# Altium PCB sinking-clock_LED-PCB.PcbDoc (part 2 of 2)
Units mm, origin at the board's own origin, x right, y up, seen from the top; angles counter-clockwise.
Board outline 152.03 x 83 mm, 2 copper layers (Top Layer, Bottom Layer), stack 1.57 mm thick; 151 components, 151 nets, 498 pads, 173 vias.
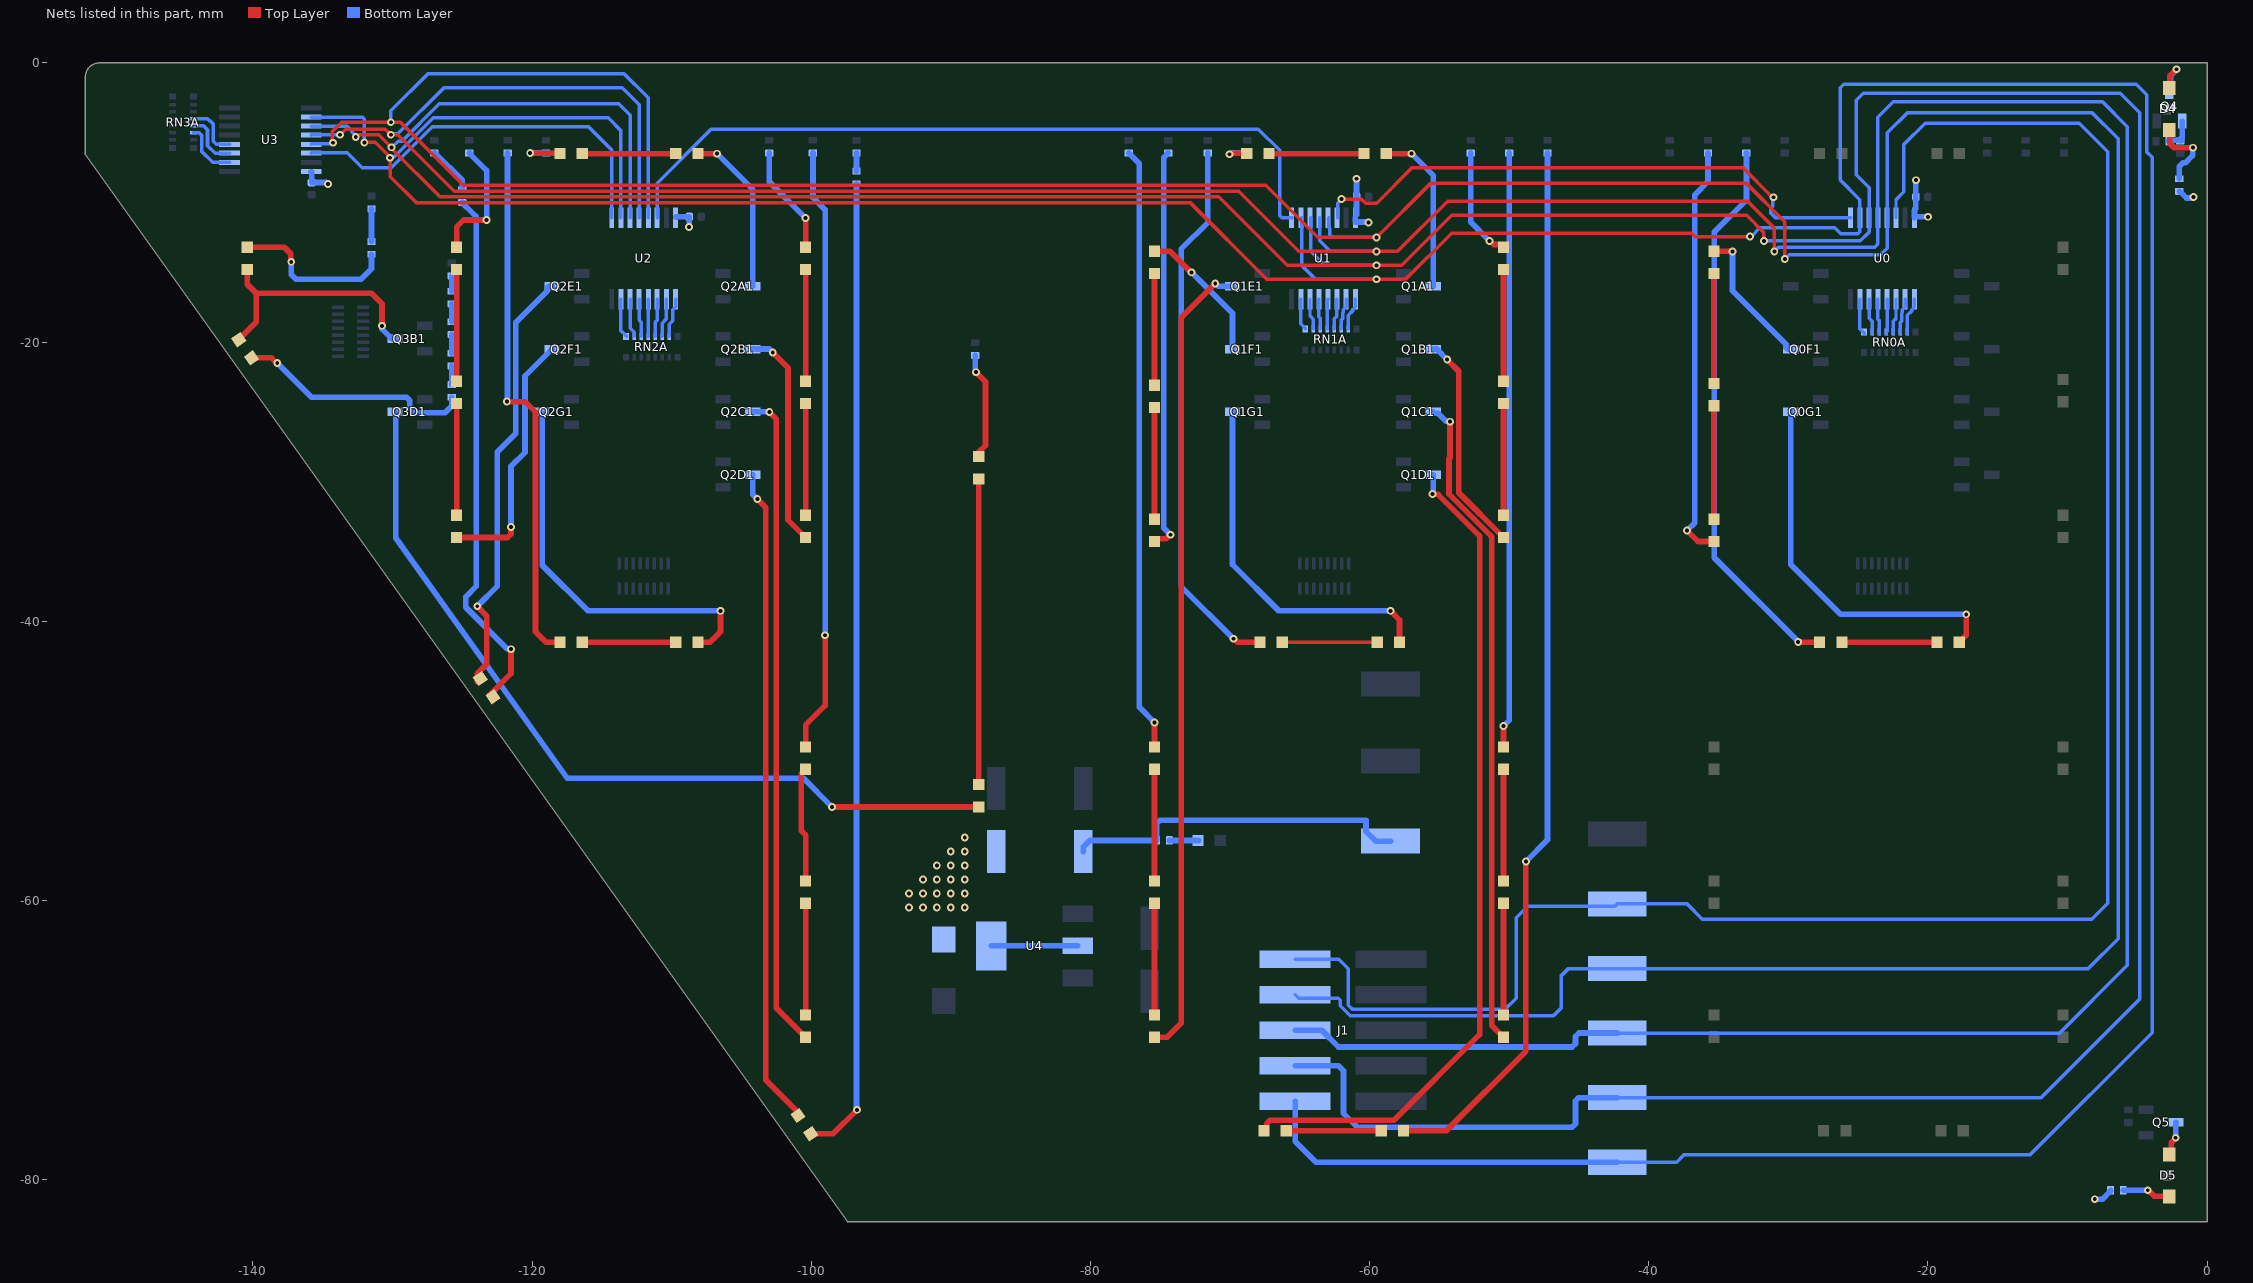
[diagram p2: the nets of this part, all layers, seen from the top]

## Via types
v1: diameter 0.559, hole 0.279, Top Layer to Bottom Layer, tented both sides, 173 vias

## Nets (pads, with @x,y where several pads share a name; then routed paths per layer and width w, separated by ;. In a path a pad name is that pad's centre, name@x,y a point inside that pad or via, vN(x,y) a via of type N, cw(c..) or ccw(c..) an arc to the next point about the centre after c; other vN are vias at no path point) (continued)
NetD0F1_1: D0F1.1 R0F2.1 | length 29.9
  Top Layer w0.406: v1(-37.25,-33.5) -36.464,-34.286 D0F1.1@-35.33,-34.286
  Bottom Layer w0.406: v1(-37.25,-33.5) -36.703,-32.953 -36.703,-9.453 -35.75,-8.5 R0F2.1@-35.75,-6.455
NetD0F1_2: D0F1.2 D0F2.1 | length 8.1
  Top Layer w0.406: D0F1.2@-35.33,-32.686 D0F2.1@-35.33,-24.556
NetD0F2_2: D0F2.2 D0F3.1 | length 7.9
  Top Layer w0.406: D0F2.2@-35.33,-22.956 D0F3.1@-35.33,-15.086
NetD0F3_2: D0F3.2 Q0F1.3 | length 10.2
  Top Layer w0.406: D0F3.2@-35.33,-13.486 -35.323,-13.493 -34.007,-13.493 v1(-34,-13.5)
  Bottom Layer w0.406: v1(-34,-13.5) -34,-16.32 -30.162,-20.158 -30.162,-20.398 -30.06,-20.5 Q0F1.3@-29.82,-20.5
NetD0G1_1: D0G1.1 R0G2.1 | length 40
  Top Layer w0.406: v1(-29.292,-41.487) -29.285,-41.493 -27.762,-41.493 D0G1.1@-27.755,-41.5
  Bottom Layer w0.406: R0G2.1@-33,-6.455 -33,-9.809 -35.306,-12.115 -35.306,-35.444 -29.292,-41.458 v1(-29.292,-41.487)
NetD0G1_2: D0G1.2 D0G2.1 | length 6.8
  Top Layer w0.406: D0G1.2@-26.155,-41.5 D0G2.1@-19.355,-41.5
NetD0G2_2: D0G2.2 Q0G1.3 | length 27.2
  Top Layer w0.406: D0G2.2@-17.755,-41.5 -17.25,-40.995 v1(-17.25,-39.5)
  Bottom Layer w0.406: Q0G1.3@-29.82,-25 -29.82,-35.93 -26.25,-39.5 v1(-17.25,-39.5)
NetD1A1_1: D1A1.1 R1A2.1 | length 2.6
  Top Layer w0.406: v1(-70.032,-6.541) -69.991,-6.541 -69.927,-6.478 -68.823,-6.478 D1A1.1@-68.8,-6.5
  Bottom Layer w0.406: v1(-70.032,-6.541) -69.991,-6.541 -69.905,-6.455 R1A2.1@-68.75,-6.455
NetD1A1_2: D1A1.2 D1A2.1 | length 6.8
  Top Layer w0.406: D1A1.2@-67.2,-6.5 D1A2.1@-60.4,-6.5
NetD1A2_2: D1A2.2 Q1A1.3 | length 12
  Top Layer w0.406: D1A2.2@-58.8,-6.5 v1(-57,-6.5)
  Bottom Layer w0.406: v1(-57,-6.5) -55.43,-8.07 Q1A1.3@-55.43,-16
NetD1B1_1: D1B1.1 R1B2.1 | length 8
  Top Layer w0.406: v1(-51.4,-12.749) -51.359,-12.749 -51.104,-13.003 -50.597,-13.003 D1B1.1@-50.4,-13.2
  Bottom Layer w0.406: R1B2.1@-52.75,-6.455 -52.75,-11.399 v1(-51.4,-12.749)
NetD1B1_2: D1B1.2 D1B2.1 | length 8
  Top Layer w0.406: D1B2.1@-50.4,-22.8 D1B1.2@-50.4,-14.8
NetD1B2_2: D1B2.2 D1B3.1 | length 8
  Top Layer w0.406: D1B3.1@-50.4,-32.4 D1B2.2@-50.4,-24.4
NetD1B3_2: D1B3.2 Q1B1.3 | length 15.7
  Top Layer w0.406: v1(-54.44,-21.25) -53.605,-22.085 -53.605,-30.795 D1B3.2@-50.4,-34
  Bottom Layer w0.406: Q1B1.3@-55.43,-20.5 -55.19,-20.5 v1(-54.44,-21.25)
NetD1C1_1: D1C1.1 R1C2.1 | length 42.7
  Top Layer w0.406: D1C1.1@-50.4,-49 v1(-50.4,-47.5)
  Bottom Layer w0.406: v1(-50.4,-47.5) -50,-47.1 R1C2.1@-50,-6.455
NetD1C1_2: D1C1.2 D1C2.1 | length 7.7
  Top Layer w0.406: D1C2.1@-50.4,-58.5 D1C1.2@-50.4,-50.75
NetD1C2_2: D1C2.2 D1C3.1 | length 8
  Top Layer w0.406: D1C3.1@-50.4,-68.2 D1C2.2@-50.4,-60.2
NetD1C3_2: D1C3.2 Q1C1.3 | length 47.2
  Top Layer w0.406: v1(-54.24,-25.7) -54.24,-28.277 -54.309,-28.346 -54.309,-30.881 -51.34,-33.85 -51.25,-33.947 -51.25,-68.95 D1C3.2@-50.4,-69.8
  Bottom Layer w0.406: Q1C1.3@-55.43,-25 -55.328,-25.102 -55.088,-25.102 -54.519,-25.671 -54.269,-25.671 v1(-54.24,-25.7)
NetD1D1_1: D1D1.1 R1D2.1 | length 76.1
  Top Layer w0.406: D1D1.1@-57.564,-76.5 -54.5,-76.5 -48.8,-70.8 v1(-48.8,-57.2)
  Bottom Layer w0.406: v1(-48.8,-57.2) -47.25,-55.65 R1D2.1@-47.25,-6.455
NetD1D1_2: D1D1.2 D1D2.1 | length 6.8
  Top Layer w0.406: D1D2.1@-65.964,-76.5 D1D1.2@-59.164,-76.5
NetD1D2_2: D1D2.2 Q1D1.3 | length 60.3
  Top Layer w0.406: D1D2.2@-67.564,-76.5 -67.367,-76.303 -67.367,-75.982 -67.129,-75.744 -58.244,-75.744 -52.113,-69.613 -52.113,-33.887 -55.089,-30.911 -55.471,-30.911 v1(-55.5,-30.881)
  Bottom Layer w0.406: v1(-55.5,-30.881) -55.5,-30.84 -55.43,-30.77 Q1D1.3@-55.43,-29.5
NetD1E1_1: D1E1.1 R1E2.1 | length 43.3
  Top Layer w0.406: D1E1.1@-75.4,-49 v1(-75.4,-47.25)
  Bottom Layer w0.406: R1E2.1@-77.25,-6.455 -76.5,-7.205 -76.5,-46.15 v1(-75.4,-47.25)
NetD1E1_2: D1E1.2 D1E2.1 | length 7.5
  Top Layer w0.406: D1E2.1@-75.4,-58.5 D1E1.2@-75.4,-51
NetD1E2_2: D1E2.2 D1E3.1 | length 8
  Top Layer w0.406: D1E3.1@-75.4,-68.2 D1E2.2@-75.4,-60.2
NetD1E3_2: D1E3.2 Q1E1.3 | length 57.6
  Top Layer w0.406: D1E3.2@-75.4,-69.8 -74.5,-69.8 -73.5,-68.8 -73.5,-18.25 v1(-71.051,-15.801)
  Bottom Layer w0.406: v1(-71.051,-15.801) -71.01,-15.801 -70.811,-16 Q1E1.3@-69.82,-16
NetD1F1_1: D1F1.1 R1F2.1 | length 29.1
  Top Layer w0.406: D1F1.1@-75.4,-34.286 -75.203,-34.089 -74.578,-34.089 -74.291,-33.802 v1(-74.25,-33.802)
  Bottom Layer w0.406: R1F2.1@-74.417,-6.455 -74.472,-6.455 -74.513,-6.497 -74.513,-6.552 -74.75,-6.788 -74.75,-33.302 v1(-74.25,-33.802)
NetD1F1_2: D1F1.2 D1F2.1 | length 8
  Top Layer w0.406: D1F1.2@-75.4,-32.686 D1F2.1@-75.4,-24.686
NetD1F2_2: D1F2.2 D1F3.1 | length 8
  Top Layer w0.406: D1F2.2@-75.4,-23.086 D1F3.1@-75.4,-15.086
NetD1F3_2: D1F3.2 Q1F1.3 | length 10
  Top Layer w0.406: D1F3.2@-75.4,-13.486 -75.393,-13.493 -74.298,-13.493 -72.791,-15 v1(-72.75,-15)
  Bottom Layer w0.406: v1(-72.75,-15) -69.82,-17.93 Q1F1.3@-69.82,-20.5
NetD1G1_1: D1G1.1 R1G2.1 | length 39.1
  Top Layer w0.406: v1(-69.75,-41.25) -69.709,-41.25 -69.459,-41.5 D1G1.1@-67.85,-41.5
  Bottom Layer w0.406: R1G2.1@-71.583,-6.455 -71.583,-11.423 -73.5,-13.34 -73.5,-37.5 v1(-69.75,-41.25)
NetD1G1_2: D1G1.2 D1G2.1 | length 6.8
  Top Layer w0.25: D1G1.2@-66.25,-41.5 D1G2.1@-59.45,-41.5
NetD1G2_2: D1G2.2 Q1G1.3 | length 26.1
  Top Layer w0.406: v1(-58.5,-39.25) -57.85,-39.9 D1G2.2@-57.85,-41.5
  Bottom Layer w0.406: Q1G1.3@-69.82,-25 -69.82,-35.93 -66.5,-39.25 v1(-58.5,-39.25)
NetD2A1_1: D2A1.1 R2A2.1 | length 3.3
  Top Layer w0.406: v1(-120.13,-6.455) -120.108,-6.478 -118.022,-6.478 D2A1.1@-118,-6.5
  Bottom Layer w0.406: v1(-120.13,-6.455) R2A2.1@-119,-6.455
NetD2A1_2: D2A1.2 D2A2.1 | length 6.7
  Top Layer w0.406: D2A1.2@-116.4,-6.5 D2A2.1@-109.7,-6.5
NetD2A2_2: D2A2.2 Q2A1.3 | length 11.9
  Top Layer w0.406: D2A2.2@-108.1,-6.5 v1(-106.75,-6.5)
  Bottom Layer w0.406: v1(-106.75,-6.5) -104.18,-9.07 Q2A1.3@-104.18,-16
NetD2B1_1: D2B1.1 R2B2.1 | length 7.8
  Top Layer w0.406: D2B1.1@-100.4,-13.2 v1(-100.4,-11.116)
  Bottom Layer w0.406: R2B2.1@-103,-6.455 -103,-8.516 v1(-100.4,-11.116)
NetD2B1_2: D2B1.2 D2B2.1 | length 8
  Top Layer w0.406: D2B2.1@-100.4,-22.8 D2B1.2@-100.4,-14.8
NetD2B2_2: D2B2.2 D2B3.1 | length 8
  Top Layer w0.406: D2B3.1@-100.4,-32.4 D2B2.2@-100.4,-24.4
NetD2B3_2: D2B3.2 Q2B1.3 | length 15.8
  Top Layer w0.406: v1(-102.75,-20.75) -101.659,-21.841 -101.659,-32.741 D2B3.2@-100.4,-34
  Bottom Layer w0.406: Q2B1.3@-104.18,-20.5 -103,-20.5 v1(-102.75,-20.75)
NetD2C1_1: D2C1.1 R2C2.1 | length 43.5
  Top Layer w0.406: D2C1.1@-100.4,-49 -100.4,-47.441 -99,-46.041 v1(-99,-41)
  Bottom Layer w0.406: R2C2.1@-99.875,-6.455 -99.875,-9.639 -99,-10.514 v1(-99,-41)
NetD2C1_2: D2C1.2 D2C2.1 | length 8.3
  Top Layer w0.406: D2C2.1@-100.4,-58.6 -100.4,-55.311 -100.711,-55 -100.711,-50.911 D2C1.2@-100.4,-50.6
NetD2C2_2: D2C2.2 D2C3.1 | length 8
  Top Layer w0.406: D2C3.1@-100.4,-68.2 D2C2.2@-100.4,-60.2
NetD2C3_2: D2C3.2 Q2C1.3 | length 47.1
  Top Layer w0.406: v1(-103,-25) -102.5,-25.5 -102.5,-67.7 D2C3.2@-100.4,-69.8
  Bottom Layer w0.406: Q2C1.3@-104.18,-25 v1(-103,-25)
NetD2D1_1: D2D1.1 R2D2.1 | length 70.4
  Top Layer w0.406: D2D1.1@-100.028,-76.715 -98.429,-76.715 v1(-96.714,-75)
  Bottom Layer w0.406: R2D2.1@-96.75,-8.66 -96.75,-74.923 -96.714,-74.959 v1(-96.714,-75)
NetD2D1_2: D2D1.2 Q2D1.3 | length 47.2
  Top Layer w0.406: v1(-103.86,-31.25) -103.25,-31.86 -103.25,-72.868 -100.946,-75.172 D2D1.2@-100.946,-75.405
  Bottom Layer w0.406: Q2D1.3@-104.18,-29.5 -104.18,-30.93 v1(-103.86,-31.25)
NetD2E1_1: D2E1.1 R2E2.1 | length 38.2
  Top Layer w0.406: D2E1.1@-123.046,-45.296 -121.5,-43.75 v1(-121.5,-42)
  Bottom Layer w0.406: R2E2.1@-125,-10 -124.945,-10 -124.903,-10.042 -124.903,-10.127 -124.75,-10.28 -124.72,-10.28 -124,-11 -124,-37.5 -124.75,-38.25 -124.75,-39 -121.779,-41.971 -121.529,-41.971 v1(-121.5,-42)
NetD2E1_2: D2E1.2 Q2E1.3 | length 31.2
  Top Layer w0.406: D2E1.2@-123.926,-44.313 -123.931,-44.308 -123.931,-43.755 -123.25,-43.074 -123.25,-39.602 v1(-123.926,-38.926)
  Bottom Layer w0.406: v1(-123.926,-38.926) -122.5,-37.5 -122.5,-27.887 -121.169,-26.556 -121.169,-18.599 -118.912,-16.342 -118.912,-16.102 -118.81,-16 Q2E1.3@-118.57,-16
NetD2F1_1: D2F1.1 R2F2.1 | length 9.3
  Top Layer w0.406: D2F1.1@-125.4,-13.2 -125.4,-11.75 -124.9,-11.25 v1(-123.25,-11.25) -123.25,-11.291 v1@-123.2,-11.341
  Bottom Layer w0.406: R2F2.1@-124.5,-6.455 -124.445,-6.455 -124.403,-6.497 -124.403,-6.552 -123.25,-7.705 v1(-123.25,-11.25)
NetD2F1_2: D2F1.2 D2F2.1 | length 8
  Top Layer w0.406: D2F2.1@-125.4,-22.8 D2F1.2@-125.4,-14.8
NetD2F2_2: D2F2.2 D2F3.1 | length 8
  Top Layer w0.406: D2F3.1@-125.4,-32.4 D2F2.2@-125.4,-24.4
NetD2F3_2: D2F3.2 Q2F1.3 | length 18.5
  Top Layer w0.406: D2F3.2@-125.4,-34 -121.75,-34 -121.5,-33.75 v1(-121.5,-33.25)
  Bottom Layer w0.406: v1(-121.5,-33.25) -121.5,-28.898 -120.5,-27.898 -120.5,-22.43 Q2F1.3@-118.57,-20.5
NetD2G1_1: D2G1.1 R2G2.1 | length 38
  Top Layer w0.406: v1(-121.804,-24.265) -120.495,-24.265 -119.75,-25.01 -119.75,-40.75 -119,-41.5 D2G1.1@-118,-41.5
  Bottom Layer w0.406: v1(-121.804,-24.265) -121.804,-24.224 -121.75,-24.17 R2G2.1@-121.75,-6.455
NetD2G1_2: D2G1.2 D2G2.1 | length 6.7
  Top Layer w0.406: D2G1.2@-116.4,-41.5 D2G2.1@-109.7,-41.5
NetD2G2_2: D2G2.2 Q2G1.3 | length 28.4
  Top Layer w0.406: D2G2.2@-108.1,-41.5 -107.25,-41.5 -106.5,-40.75 v1(-106.5,-39.25)
  Bottom Layer w0.406: Q2G1.3@-119.267,-25.102 -119.267,-35.983 -116,-39.25 v1(-106.5,-39.25)
NetD3B1_1: D3B1.1 R3B2.1 | length 12.1
  Top Layer w0.406: D3B1.1@-140.4,-13.2 -137.745,-13.2 -137.279,-13.665 -137.279,-14.221 v1(-137.25,-14.25)
  Bottom Layer w0.406: v1(-137.25,-14.25) -137.25,-15.164 -136.914,-15.5 -132.25,-15.5 -131.5,-14.75 R3B2.1@-131.5,-13.705
NetD3B1_2: D3B1.2 D3B2.2 Q3B1.3 | length 18.1
  Top Layer w0.406: D3B2.2@-141.009,-19.82 -139.75,-18.561 -139.75,-16.5 ; D3B1.2@-140.4,-14.8 -140.4,-15.85 -139.75,-16.5 ; v1(-130.75,-18.835) -130.75,-17.25 -131.5,-16.5 -139.75,-16.5
  Bottom Layer w0.406: v1(-130.75,-18.835) -130.75,-19.06 -130.06,-19.75 Q3B1.3@-129.82,-19.75
NetD3B2_1: D3B2.1 R3_EX5.1 | length 17.2
  Top Layer w0.406: D3B2.1@-140.091,-21.13 -140.091,-21.145 -139.817,-21.179 -139.769,-21.13 -138.661,-21.13 -138.291,-21.5 v1(-138.25,-21.5)
  Bottom Layer w0.406: v1(-138.25,-21.5) -135.795,-23.955 -129,-23.955 -128.75,-24.205 -128.75,-24.75 -128.43,-25.07 -126.25,-25.07 -125.75,-24.57 R3_EX5.1@-125.75,-23.955
NetD3D1_1: D3D1.1 R3D2.1 | length 7.5
  Top Layer w0.406: v1(-88.198,-22.156) -87.511,-22.844 -87.511,-27.406 D3D1.1@-88,-27.896
  Bottom Layer w0.406: R3D2.1@-88.253,-20.955 -88.253,-22.061 -88.198,-22.115 v1(-88.198,-22.156)
NetD3D1_2: D3D1.2 D3D2.1 | length 21.9
  Top Layer w0.406: D3D2.1@-88,-51.7 D3D1.2@-88,-29.8
NetD3D2_2: D3D2.2 Q3D1.3 | length 60.6
  Top Layer w0.406: v1(-98.5,-53.3) -88.05,-53.3 D3D2.2@-88,-53.25
  Bottom Layer w0.406: Q3D1.3@-129.82,-25 -129.75,-25.07 -129.75,-34.041 -117.47,-51.25 -100.55,-51.25 v1(-98.5,-53.3)
NetD4_1: D4.1 R6.2 | length 5.5
  Top Layer w0.406: D4.1@-2.72,-4.8 -2.673,-4.847 -2.673,-5.75 -2.351,-6.072 v1(-1.007,-6.072)
  Bottom Layer w0.406: R6.2@-2,-8.295 -2,-7.44 -1.716,-7.157 -1.557,-7.157 -1.036,-6.636 -1.036,-6.101 v1(-1.007,-6.072)
NetD4_2: D4.2 Q4.3 | length 3.3
  Top Layer w0.406: D4.2@-2.72,-1.8 -2.673,-1.753 -2.673,-0.928 v1(-2.2,-0.455)
  Bottom Layer w0.406: Q4.3@-2.7,-2.03 -2.598,-1.928 -2.598,-0.895 -2.2,-0.497 v1(-2.2,-0.455)
NetD5_1: D5.1 R7.2 | length 3.5
  Top Layer w0.406: v1(-4.25,-80.76) -4.209,-80.76 -3.777,-81.192 -2.728,-81.192 D5.1@-2.72,-81.2
  Bottom Layer w0.406: R7.2@-6,-80.76 v1(-4.25,-80.76)
NetD5_2: D5.2 Q5.3 | length 2.5
  Top Layer w0.406: D5.2@-2.72,-78.2 -2.565,-78.045 -2.565,-77.356 -2.25,-77.041 v1(-2.25,-77)
  Bottom Layer w0.406: v1(-2.25,-77) -2.24,-76.99 -2.24,-75.91 Q5.3@-2.23,-75.9
NetD6_1: D6.1 R8.1 | length 2.1
  Bottom Layer w0.406: R8.1@-74.34,-55.7 D6.1@-72.25,-55.7
NetQ4_1: Q4.1 R9.2 R10.2 | length 2.4
  Bottom Layer w0.406: R10.2@-2.745,-5.6 -2.745,-5.576 -2.703,-5.534 R9.2@-1.929,-5.534 ; R9.2@-1.929,-5.557 -1.832,-5.557 -1.832,-5.366 -1.785,-5.319 Q4.1@-1.785,-4.17
NetR2D1_1: R2D1.1 R2D2.2 | length 1.3
  Bottom Layer w0.406: R2D2.2@-96.75,-7.75 R2D1.1@-96.75,-6.455
NetR2E1_1: R2E1.1 R2E2.2 | length 3.5
  Bottom Layer w0.406: R2E1.1@-127,-6.455 -126.945,-6.455 -125,-8.4 R2E2.2@-125,-9.09
NetR3_EX1_1: R3_EX1.1 R3_EX2.2 | length 1.1
  Bottom Layer w0.406: R3_EX2.2@-125.75,-16.355 R3_EX1.1@-125.75,-15.253
NetR3_EX2_1: R3_EX2.1 R3_EX3.2 | length 1.3
  Bottom Layer w0.406: R3_EX3.2@-125.75,-18.545 R3_EX2.1@-125.75,-17.265
NetR3_EX3_1: R3_EX3.1 R3_EX4.2 | length 1.3
  Bottom Layer w0.406: R3_EX4.2@-125.75,-20.795 R3_EX3.1@-125.75,-19.455
NetR3_EX4_1: R3_EX4.1 R3_EX5.2 | length 1.3
  Bottom Layer w0.406: R3_EX5.2@-125.75,-23.045 R3_EX4.1@-125.75,-21.705
NetR3B1_1: R3B1.1 R3B2.2 | length 2.3
  Bottom Layer w0.406: R3B2.2@-131.5,-12.795 R3B1.1@-131.5,-10.455
NetRN0A_9: RN0A.9 U0.7 | length 2.6
  Bottom Layer w0.25: U0.7@-24.876,-16.921 -24.876,-19.046 -24.557,-19.365 RN0A.9@-24.557,-19.402
NetRN0A_10: RN0A.10 U0.6 | length 2.6
  Bottom Layer w0.25: U0.6@-24.215,-16.921 -24.215,-18.284 -23.97,-18.529 RN0A.10@-23.97,-19.402
NetRN0A_11: RN0A.11 U0.5 | length 2.5
  Bottom Layer w0.25: U0.5@-23.58,-16.921 -23.58,-18.35 -23.47,-18.46 RN0A.11@-23.47,-19.402
NetRN0A_12: RN0A.12 U0.4 | length 2.5
  Bottom Layer w0.25: RN0A.12@-22.97,-19.402 -22.97,-19.277 -22.92,-19.227 U0.4@-22.92,-16.921
NetRN0A_13: RN0A.13 U0.3 | length 2.6
  Bottom Layer w0.25: RN0A.13@-22.47,-19.402 -22.47,-18.497 -22.285,-18.312 U0.3@-22.285,-16.921
NetRN0A_14: RN0A.14 U0.2 | length 2.6
  Bottom Layer w0.25: RN0A.14@-21.97,-19.402 -21.97,-18.578 -21.882,-18.49 -21.882,-17.917 -21.83,-17.864 -21.83,-17.685 -21.624,-17.48 U0.2@-21.624,-16.921
NetRN0A_15: RN0A.15 U0.1 | length 2.7
  Bottom Layer w0.25: RN0A.15@-21.47,-19.402 -21.47,-18.073 -21.169,-17.773 -21.169,-17.679 -21.023,-17.533 -21.017,-17.533 -20.964,-17.48 U0.1@-20.964,-16.921
NetRN1A_9: RN1A.9 U1.7 | length 2.3
  Bottom Layer w0.25: U1.7@-64.926,-16.921 -64.926,-18.696 -64.607,-19.015 RN1A.9@-64.607,-19.052
NetRN1A_10: RN1A.10 U1.6 | length 2.2
  Bottom Layer w0.25: U1.6@-64.265,-16.921 -64.265,-18.109 -64.02,-18.354 RN1A.10@-64.02,-19.052
NetRN1A_11: RN1A.11 U1.5 | length 2.2
  Bottom Layer w0.25: U1.5@-63.63,-16.921 -63.63,-18.175 -63.52,-18.285 RN1A.11@-63.52,-19.052
NetRN1A_12: RN1A.12 U1.4 | length 2.2
  Bottom Layer w0.25: RN1A.12@-63.02,-19.052 -63.02,-16.971 U1.4@-62.97,-16.921
NetRN1A_13: RN1A.13 U1.3 | length 2.2
  Bottom Layer w0.25: RN1A.13@-62.52,-19.052 -62.52,-18.322 -62.335,-18.137 U1.3@-62.335,-16.921
NetRN1A_14: RN1A.14 U1.2 | length 2.3
  Bottom Layer w0.25: RN1A.14@-62.02,-19.052 -62.02,-18.403 -61.932,-18.315 -61.932,-17.917 -61.88,-17.864 -61.88,-17.685 -61.674,-17.48 U1.2@-61.674,-16.921
NetRN1A_15: RN1A.15 U1.1 | length 2.3
  Bottom Layer w0.25: RN1A.15@-61.52,-19.052 -61.52,-18.073 -61.219,-17.773 -61.219,-17.679 -61.073,-17.533 -61.067,-17.533 -61.014,-17.48 U1.1@-61.014,-16.921
NetRN2A_9: RN2A.9 U2.7 | length 2.8
  Bottom Layer w0.25: U2.7@-113.626,-16.921 -113.626,-19.179 -113.257,-19.548 RN2A.9@-113.257,-19.585
NetRN2A_10: RN2A.10 U2.6 | length 2.8
  Bottom Layer w0.25: U2.6@-112.965,-16.921 -112.965,-19.002 -112.67,-19.298 RN2A.10@-112.67,-19.585
NetRN2A_11: RN2A.11 U2.5 | length 2.7
  Bottom Layer w0.25: U2.5@-112.33,-16.921 -112.33,-18.416 -112.17,-18.577 RN2A.11@-112.17,-19.585
NetRN2A_12: RN2A.12 U2.4 | length 2.7
  Bottom Layer w0.25: RN2A.12@-111.67,-19.585 U2.4@-111.67,-16.921
NetRN2A_13: RN2A.13 U2.3 | length 2.7
  Bottom Layer w0.25: RN2A.13@-111.17,-19.585 -111.17,-18.564 -111.035,-18.429 U2.3@-111.035,-16.921
NetRN2A_14: RN2A.14 U2.2 | length 2.8
  Bottom Layer w0.25: RN2A.14@-110.67,-19.585 -110.67,-18.644 -110.374,-18.349 U2.2@-110.374,-16.921
NetRN2A_15: RN2A.15 U2.1 | length 2.9
  Bottom Layer w0.25: RN2A.15@-110.17,-19.585 -110.17,-18.713 -109.919,-18.462 -109.919,-17.679 -109.773,-17.533 -109.767,-17.533 -109.714,-17.48 U2.1@-109.714,-16.921
NetRN3A_12: RN3A.12 U3.4 | length 4.1
  Bottom Layer w0.254: RN3A.12@-144.25,-4 -143.25,-4 -143.122,-4.128 -143.082,-4.128 -142.839,-4.371 -142.839,-5.606 -142.616,-5.83 U3.4@-141.671,-5.83
NetRN3A_13: RN3A.13 U3.3 | length 4.1
  Bottom Layer w0.254: RN3A.13@-144.25,-4.5 -143.535,-4.5 -143.246,-4.789 -143.246,-5.923 -142.704,-6.465 U3.3@-141.671,-6.465
NetRN3A_14: RN3A.14 U3.2 | length 4.1
  Bottom Layer w0.254: RN3A.14@-144.25,-5 -144.248,-5.002 -143.847,-5.002 -143.652,-5.197 -143.652,-6.348 -142.874,-7.126 U3.2@-141.671,-7.126
NetU0_9: U0.9 U1.14 | length 41.5
  Top Layer w0.25: v1(-62,-9.75) -60.584,-9.75 -60.277,-10.057 -59.496,-10.057 -56.932,-7.493 -33.271,-7.493 -31.14,-9.624 v1(-31.056,-9.624)
  Bottom Layer w0.25: U1.14@-62.285,-11.079 -62.285,-10.039 -62,-9.754 v1(-62,-9.75) ; v1(-31.056,-9.624) -31.116,-9.683 -31.116,-10.278 -31.241,-10.404 -31.241,-10.759 -30.921,-11.079 U0.9@-25.536,-11.079
NetU1_9: U1.9 U2.14 | length 54.9
  Bottom Layer w0.25: U2.14@-111.035,-11.079 -111.035,-8.61 -107.175,-4.75 -67.963,-4.75 -66.443,-6.269 -66.443,-10.933 -66.297,-11.079 U1.9@-65.536,-11.079
NetU2_9: U2.9 U3.14 | length 28.8
  Bottom Layer w0.25: U3.14@-135.829,-6.465 -135.789,-6.425 -133.237,-6.425 -132.157,-7.505 -130.085,-7.505 -127.152,-4.572 -115.952,-4.572 -114.286,-6.238 U2.9@-114.286,-11.079
SHIFT_DATA_CLK: J1.8 TP6.1 U0.11 U1.11 U2.11 U3.11 | length 315.8
  Top Layer w0.25: v1(-132.627,-5.307) -132.543,-5.307 -132.389,-5.152 -130.966,-5.152 v1(-130.073,-6.045) ; v1@-130.107,-6.08 -126.59,-9.598 -70.793,-9.598 -65.891,-14.5 v1(-59.496,-14.5) -57.68,-14.5 -54.102,-10.922 -32.974,-10.922 -31.75,-12.146 v1(-31.75,-12.75)
  Bottom Layer w0.25: U3.11@-135.829,-4.535 -133.238,-4.535 -132.921,-4.852 -132.921,-4.929 -132.627,-5.223 v1(-132.627,-5.307) ; v1(-130.073,-6.045) -130.043,-6.045 -129.595,-5.597 -129.315,-5.597 -126.639,-2.921 -113.792,-2.921 -112.965,-3.748 U2.11@-112.965,-11.079 ; U1.11@-64.215,-11.079 -64.212,-11.082 -64.212,-13.49 -63.203,-14.5 v1(-59.496,-14.5) ; TP6.1@-42.25,-74.125 -11.895,-74.125 -4.826,-67.056 -4.826,-3.556 -6.223,-2.159 -24.638,-2.159 -25.146,-2.667 -25.146,-8.018 -24.215,-8.949 -24.215,-12.109 -24.856,-12.75 v1(-31.75,-12.75)
  Bottom Layer w0.406: J1.8@-65.329,-71.84 -62.224,-71.84 -61.861,-72.203 -61.861,-75.25 -60.861,-76.25 -45.494,-76.25 -45.25,-76.006 -45.25,-74.363 -45.012,-74.125 TP6.1@-42.25,-74.125
SHIFT_DATA_IN: J1.2 TP3.1 U0.14 | length 144
  Bottom Layer w0.25: J1.2@-65.329,-64.22 -62.2,-64.22 -61.519,-64.901 -61.519,-67.5 -61.21,-67.809 -50.309,-67.809 -49.5,-67 -49.5,-61.25 -48.67,-60.42 -42.42,-60.42 TP3.1@-42.25,-60.25 -37.25,-60.25 -36.159,-61.341 -8.255,-61.341 -7.112,-60.198 -7.112,-6.35 -9.144,-4.318 -20.193,-4.318 -21.717,-5.842 -21.717,-9.231 -22.285,-9.799 U0.14@-22.285,-11.079
SHIFT_MCLR: J1.10 TP7.1 U0.10 U1.10 U2.10 U3.10 | length 322.5
  Top Layer w0.25: v1(-132.012,-5.709) -131.976,-5.673 -131.232,-5.673 -130.183,-6.723 v1(-130.183,-6.792) ; v1@-130.153,-6.753 -130.143,-6.753 -130.143,-8.149 -128.292,-10 -72.858,-10 -67.358,-15.5 v1(-59.5,-15.5) -59.483,-15.483 -57.393,-15.483 -54.102,-12.192 -36.909,-12.192 -36.656,-12.445 v1(-32.75,-12.445)
  Bottom Layer w0.25: U3.10@-135.829,-3.874 -132.158,-3.874 -132.012,-4.021 v1(-132.012,-5.709) ; v1(-130.183,-6.792) -130.124,-6.733 -129.882,-6.733 -127.076,-3.928 -114.549,-3.928 -113.626,-4.851 U2.10@-113.626,-11.079 ; U1.10@-64.876,-11.079 -64.873,-11.082 -64.873,-14.5 -63.86,-15.513 -60.674,-15.513 -60.661,-15.5 v1(-59.5,-15.5) ; TP7.1@-42.25,-78.75 -38,-78.75 -37.482,-78.232 -12.7,-78.232 -3.937,-69.469 -3.937,-6.763 -4.318,-6.382 -4.318,-2.286 -5.08,-1.524 -26.035,-1.524 -26.289,-1.778 -26.289,-8.386 -24.876,-9.799 -24.876,-12.092 -25.022,-12.239 -26.241,-12.239 -26.668,-11.811 -32.032,-11.811 -32.666,-12.445 v1(-32.75,-12.445)
  Bottom Layer w0.406: J1.10@-65.329,-74.38 -65.329,-77.25 -63.829,-78.75 TP7.1@-42.25,-78.75
SHIFT_OUTPUT_EN: J1.4 TP4.1 U0.13 U1.13 U2.13 U3.13 | length 304.6
  Top Layer w0.25: v1(-134.25,-5.721) -134.307,-5.664 -134.307,-4.916 -133.641,-4.25 v1(-130.114,-4.25) -129.421,-4.25 -124.908,-8.763 -67.437,-8.763 -63.7,-12.5 v1(-59.496,-12.5) -55.632,-8.636 -32.998,-8.636 -30.25,-11.384 v1(-30.25,-14.057)
  Bottom Layer w0.25: U3.13@-135.829,-5.83 -135.776,-5.777 -134.306,-5.777 v1(-134.25,-5.721) ; v1(-130.114,-4.25) -130.114,-3.422 -127.454,-0.762 -113.411,-0.762 -111.67,-2.503 U2.13@-111.67,-11.079 ; J1.4@-65.329,-66.76 -65.084,-67.005 -62.235,-67.005 -62.088,-67.151 -62.088,-67.543 -61.381,-68.25 -46.825,-68.25 -46.25,-67.675 -46.25,-65.375 -45.75,-64.875 TP4.1@-42.25,-64.875 -8.506,-64.875 -6.375,-62.744 -6.375,-5.422 -8.241,-3.556 -21.463,-3.556 -22.92,-5.013 U0.13@-22.92,-11.079 -22.92,-13.268 -23.397,-13.745 -29.938,-13.745 v1(-30.25,-14.057) ; U1.13@-62.92,-11.079 -62.917,-11.082 -62.917,-11.787 -62.867,-11.837 -62.867,-12.32 -62.687,-12.5 v1(-59.496,-12.5)
SHIFT_STORE_CLK: J1.6 TP5.1 U0.12 U1.12 U2.12 U3.12 | length 305.1
  Top Layer w0.25: v1(-133.75,-5.147) -133.353,-4.75 -130.511,-4.75 v1(-130.114,-5.147) -129.622,-5.147 -125.574,-9.195 -69.374,-9.195 -65.069,-13.5 -58.001,-13.5 -54.407,-9.906 -32.921,-9.906 -31,-11.827 v1(-31,-13.5)
  Bottom Layer w0.25: U3.12@-135.829,-5.17 -135.817,-5.158 -133.762,-5.158 v1(-133.75,-5.147) ; v1(-130.114,-5.147) -130.055,-5.088 -129.613,-5.088 -126.304,-1.778 -113.538,-1.778 -112.33,-2.986 U2.12@-112.33,-11.079 ; U1.12@-63.58,-11.079 -63.58,-11.688 -63.577,-11.691 -63.577,-12.75 -62.827,-13.5 v1(-59.496,-13.5) ; TP5.1@-42.25,-69.5 -10.572,-69.5 -5.715,-64.643 -5.715,-4.572 -7.493,-2.794 -22.479,-2.794 -23.58,-3.895 U0.12@-23.58,-11.079 -23.58,-12.972 -23.816,-13.208 -30.699,-13.208 -30.991,-13.5 v1(-31,-13.5)
  Bottom Layer w0.406: J1.6@-65.329,-69.3 -63.424,-69.3 -62.224,-70.5 -45.488,-70.5 -45.25,-70.262 -45.25,-69.75 -45,-69.5 TP5.1@-42.25,-69.5
VCC: C2.1 C3.1 C4A.2 C4B.2 C4C.2 C4D.1 D1.A R6.1 R7.1 R8.2 TP2.1 U0.16 U1.16 U2.16 U3.16 U4.2 U4.4 | length 45.1
  Bottom Layer w0.406: U3.16@-135.829,-7.786 -135.802,-7.786 -135.776,-7.811 -135.776,-8.545 -135.789,-8.557 C4D.1@-135.776,-8.57 -134.727,-8.57 v1(-134.621,-8.676) ; U2.16@-109.687,-11.036 -109.684,-11.034 -109.607,-11.034 -109.6,-11.026 C4C.2@-108.732,-11.026 -108.741,-11.035 -108.741,-11.741 v1(-108.75,-11.75) ; U4.4@-87.1,-63.25 U4.2@-80.9,-63.25 ; C2.1@-80.5,-56.5 -80.5,-56.157 -80.043,-55.7 R8.2@-75.25,-55.7 -75.25,-54.488 -75.012,-54.25 -60.25,-54.25 -60.25,-55.053 -59.553,-55.75 TP2.1@-58.5,-55.75 ; U1.16@-61.014,-11.079 -61.014,-11.37 -60.989,-11.396 -60.099,-11.396 v1(-60.07,-11.425) ; U1.16@-60.93,-10.881 C4B.2@-60.93,-9.575 v1(-60.93,-8.3) ; U0.16@-20.964,-11.079 -20.964,-11.025 -20.964,-10.571 -20.86,-10.467 C4A.2@-20.86,-9.6 v1(-20.86,-8.4) ; U0.16@-20.963,-11.026 v1(-20,-11.026) ; v1(-8.047,-81.4) -7.495,-81.4 -6.91,-80.815 R7.1@-6.91,-80.76 ; R6.1@-2,-9.205 -1.958,-9.247 -1.903,-9.247 -1.473,-9.677 -1.078,-9.677 -1.007,-9.606 v1(-0.966,-9.606)
  other v1: -93,-60.5 -92,-60.5 -91,-60.5 -90,-60.5 -89,-60.5 -93,-59.5 -92,-59.5 -91,-59.5 -90,-59.5 -89,-59.5 -92,-58.5 -91,-58.5 -90,-58.5 -89,-58.5 -91,-57.5 -90,-57.5 -89,-57.5 -90,-56.5 -89,-56.5 -89,-55.5
pads on no net: D4.M1 D5.M1 RN0A.1 RN0A.16 RN0B.8 RN0B.9 RN1A.1 RN1A.16 RN1B.8 RN1B.9 RN2A.1 RN2A.16 RN2B.8 RN2B.9 RN3A.1 RN3A.2 RN3A.6 RN3A.7 RN3A.8 RN3A.9 RN3A.10 RN3A.11 RN3A.15 RN3A.16 RN3B.1 RN3B.4 RN3B.5 RN3B.6 RN3B.7 RN3B.8 RN3B.9 RN3B.10 RN3B.11 RN3B.12 RN3B.13 RN3B.16 U0.15 U1.15 U2.15 U3.1 U3.5 U3.6 U3.7 U3.9 U3.15

## Polygon pours and split planes (outlines as drawn)
GND on Bottom Layer "NONET_L01_P-001" (solid, remove dead copper, pour order 36): -97.4,-83 -152.028,-6.52 -152,-6.5 -152,-1 cw(c-151,-1) -151,0 0,0 0,-83
+12 on Bottom Layer "Bottom Layer-+12" (solid, pour order 23): -72,-69.5 -69,-66.5 -69,-64.75 -67.5,-63.25 -60.96,-63.25 -60.96,-67.25 -51.898,-67.25 -51.898,-59.852 -53.25,-58.5 -70.5,-58.5 -71.75,-59.75 -71.75,-63 -73.5,-64.75 -76,-64.75 -93.5,-64.75 -93.5,-69.5
VCC on Bottom Layer "Bottom Layer VCC" (solid, pour order 27): -83,-65 -81.5,-63.5 -81.5,-62.75 -82,-62.75 -83.18,-61.57 -83.18,-58.75 -82.68,-58.25 -79.5,-58.25 -79.25,-58 -79.25,-55 -79.75,-54.5 -89,-54.5 -93.5,-59 -93.5,-65 -86,-65
VCC on Top Layer "NONET_L01_P-001" (solid, remove dead copper, pour order 35): -97.4,-83 -152.028,-6.52 -152,-6.5 -152,-1 cw(c-151,-1) -151,0 0,0 0,-83
GND on Top Layer "Top Layer GND BEEF" (solid, pour order 18): -46.25,-75.25 -45.75,-74.75 -45.75,-57.5 -46.25,-57 -47.8,-57 -48.25,-57.45 -48.25,-74.75 -47.75,-75.25
+12 on Top Layer "Top Layer +12" (solid, pour order 28): -81.3,-80.75 -77.454,-80.75 -76.304,-81.9 -8.404,-81.9 -8.404,-81.2 -1.104,-73.9 -1.104,-8.1 -9.004,-0.2 -127.704,-0.2 -127.704,-5.673 -118.127,-5.673 -117.204,-4.75 -103.704,-4.75 -103.704,-5.75 -95.704,-5.75 -95.704,-4.75 -77.454,-4.75 -77.454,-5.75 -67.954,-5.75 -67.954,-4.75 -53.204,-4.75 -53.204,-5.75 -46.204,-5.75 -46.204,-4.75 -38.704,-4.75 -38.704,-5.75 -29.454,-5.75 -29.454,-4.75 -15.954,-4.75 -15.954,-5.75 -14.316,-5.75 -6.904,-13.162 -6.904,-72.9 -11.104,-77.1 -77.204,-77.1 -77.204,-65.2 -77.254,-65.25 -81.3,-65.25 -81.3,-71.6 -81.3,-72.2

## Silkscreen, mask and mechanical layers (free items; w line width, h text height)
Bottom Overlay:
  lines w0.254: -142.756,-7.786 cw(c-142.781,-7.786) -142.757,-7.78 ; -109.675,-18 cw(c-109.7,-18) -109.676,-17.994 ; -60.99,-18.027 ccw(c-61.014,-18.033) -60.989,-18.033 ; -20.916,-18.073 ccw(c-20.94,-18.079) -20.915,-18.079
  lines w0.5: -53,-50 -31.122,-50 -31.122,-27.62 -53,-27.62 -53,-50 ; -52.75,-19.804 -52.75,-12.304 -31.416,-12.304 -31.416,-19.804 -52.75,-19.804
  text "S/N" at -31.752,-11.014 h4.5
  text "NOTES" at -31.636,-26.48 h4.5
  text "Sinking Clock - LED PCB / Mk. IV / Mark Hofmeister / HofLab, 7/2024" at -67.375,-43.817 h3.75
  text "GND" at -61.75,-45.125 h2.5
  text "+12V" at -61.75,-50.75 h2.5
  text "<---VCC--->" at -61.5,-56.232 h1.75
  text "GND" at -34.216,-56.281 h2.5
  text "SHIFT_DATA_IN" at -24.238,-61.515 h2.5
  text "SHIFT_OUTPUT_EN" at -20.774,-66.265 h2.5
  text "SHIFT_STORE_CLK" at -21.281,-71.015 h2.5
  text "SHIFT_DATA_CLK" at -22.372,-75.515 h2.5
  text "SHIFT_MCLR" at -26.558,-80.015 h2.5
  text "BRAIN PCB PWR + DATA" at -70.506,-81.272 h2.5 r270
Outline:
  lines w0.3: -152.028,-6.52 -97.4,-83 0,-83 0,0 -151,0 ccw(c-151,-1) -152,-1 -152,-6.5
Digit Outlines:
  lines w0.254: -142.05,-19.9 -142.05,-12 -139.05,-9 -139.05,-24 ; -103.813,-43 -106.25,-43 -118,-43 -120.75,-43 -122.5,-41.25 -120.25,-39 -118,-39 -105.95,-39 -103.7,-39 -101.6,-41.1 -103.5,-43 ; -101.75,-45.14 -101,-44.39 -98.25,-41.64 -98.25,-73.75 -101.75,-70.25 -101.75,-45.125 ; -54.812,-43.25 -57.25,-43.25 -69,-43.25 -71.75,-43.25 -73.5,-41.5 -71.25,-39.25 -69,-39.25 -56.95,-39.25 -54.7,-39.25 -52.6,-41.35 -54.5,-43.25 ; -53,-12.265 -53,-11.75 -49.5,-8.25 -49.5,-36.265 -50.235,-36.265 -53,-33.5 -53,-12.25 ; -12.75,-12.015 -12,-11.265 -9.25,-8.515 -9.25,-36.015 -9.985,-36.015 -12.75,-33.25 -12.75,-12 ; -12.5,-48.14 -11.75,-47.39 -9,-44.64 -9,-72.14 -9.735,-72.14 -12.5,-69.375 -12.5,-48.125 ; -98,-4.25 -98,-4.25 ; -98,-4.25 -101.5,-7.75 -122,-7.75 -122.75,-7 -125.5,-4.25 -98,-4.25 ; -49,-4.25 -49,-4.25 ; -49,-4.25 -76.5,-4.25 -73.75,-7 -73,-7.75 -52.5,-7.75 -49,-4.25 ; -8.75,-4.25 -8.75,-4.25 ; -8.75,-4.25 -12.25,-7.75 -32.75,-7.75 -33.5,-7 -36.25,-4.25 -8.75,-4.25 ; -127.25,-39.058 -127.25,-9.25 -125.875,-9.25 -123.75,-11.375 -123.75,-33.25 -123.75,-34 -123.75,-35.558 -127.25,-39.058 ; -102,-34.5 -99.985,-36.515 -98.5,-36.515 -98.5,-8.6 -101.25,-11.35 -101.582,-11.682 -102,-12.1 -102,-34.5 ; -76.75,-37.25 -73.25,-33.75 -73.25,-12 -76.25,-9 -76.75,-9 -76.75,-37.25 ; -76.5,-77.75 -73,-74.25 -52.5,-74.25 -51.75,-75 -49,-77.75 -76.5,-77.75 ; -76.5,-72.625 -76.5,-45.125 -75.875,-45.125 -73,-48 -73,-69.125 -73.75,-69.875 -76.5,-72.625 ; -52.75,-69.625 -52.75,-47.75 -52,-47 -49.25,-44.25 -49.25,-72.39 -49.985,-72.39 -52.75,-69.625 ; -36.5,-37 -33.75,-34.25 -33,-33.5 -33,-12 -36.25,-8.75 -36.5,-8.75 -36.5,-37 ; -36.25,-77.5 -8.75,-77.5 -11.5,-74.75 -12.25,-74 -32.75,-74 -36.25,-77.5 ; -36.25,-72.375 -33.5,-69.625 -32.75,-68.875 -32.75,-47.5 -35.375,-44.875 -36.25,-44.875 -36.25,-72.375 ; -33.25,-41.25 -31,-39 -28.75,-39 -16.7,-39 -14.45,-39 -12.35,-41.1 -14.25,-43 -14.563,-43 -17,-43 -28.75,-43 -31.5,-43 -33.25,-41.25
Fab Instructions:
  text "sinking-clock_LED-PCB / 1. 2 layers / 2. Copper Thickness: 1 oz  / 3. Dielectric Material: FR4 or HofLabs approved substitute / 4. Plating Finish: HASL lead or HofLabs approved substitute. May upgrade to ENIG if no extra charge. / 5. PCB Thickness: 1.6 mm  / 6. Soldermask Color: White or HofLabs approved substitute / 7. Silkscreen Color: Black or HofLabs approved substitute / 8. Vias are tented" at 14,-55.6 h2

## Dimensions
0,-83 to -97.4,-83 on Mechanical 16
0,0 to 0,-83 on Mechanical 16
0,0 to -156.7,0 on Mechanical 16

## Text inside footprints (layer, text, board x,y; h text height)
C1: Bottom Overlay "-" at -76.464,-60.059 h3.05 r270; Bottom Overlay "+" at -76.342,-69.457 h2.03 r270
C2: Bottom Overlay "-" at -81.214,-50.048 h3.05 r270; Bottom Overlay "+" at -81.092,-59.446 h2.03 r270
C3: Bottom Overlay "+" at -87.342,-59.446 h2.03 r270; Bottom Overlay "-" at -87.464,-50.048 h3.05 r270